# KiCad board DFTBoard.kicad_pcb (continued)
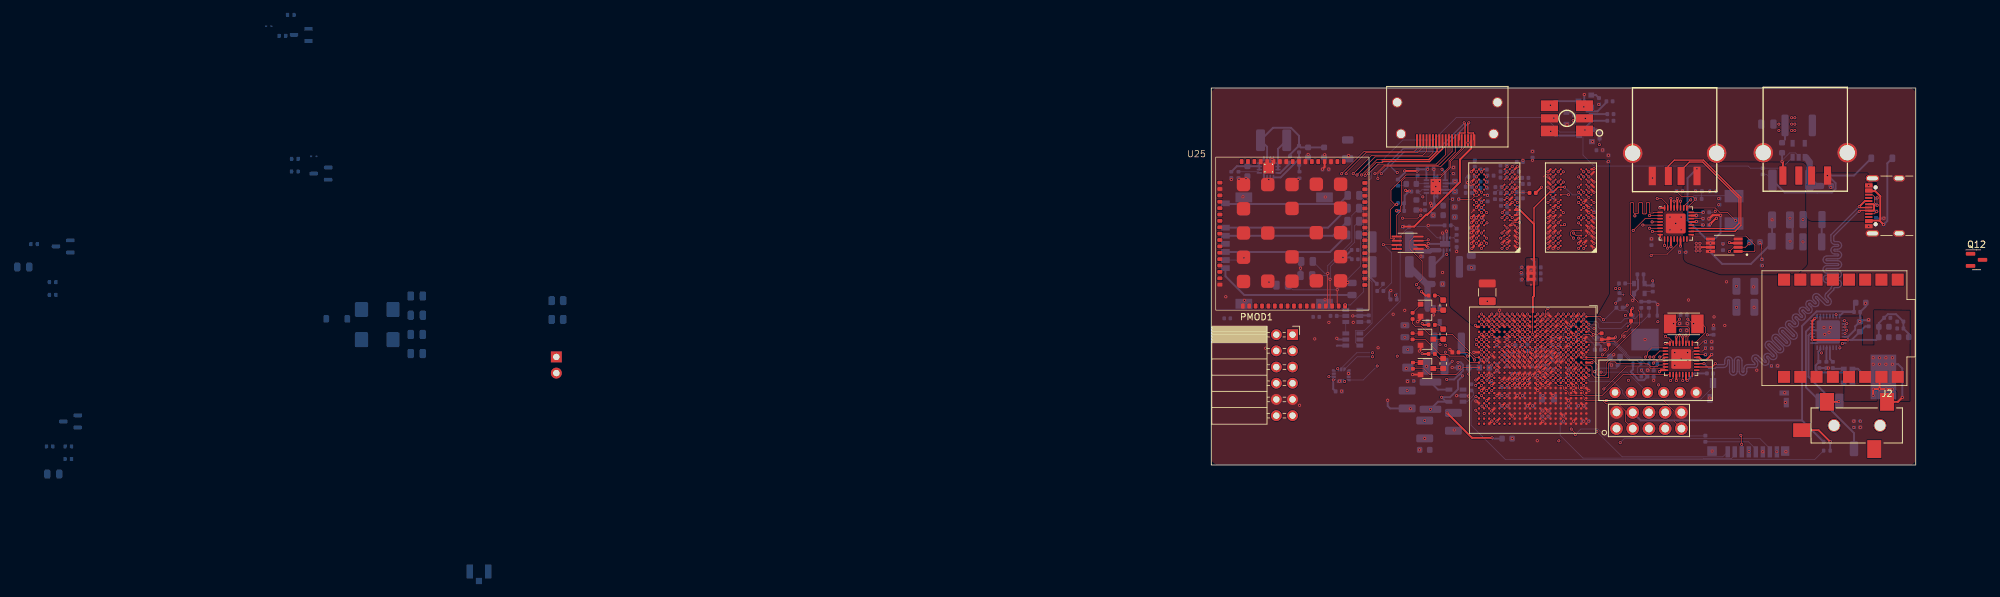
[diagram p0: board, top side]
## Nets (continued)
GND: AE1.2 AE1.3 C1.2 C2.2 C3.2 C4.2 C5.2 C6.2 C7.2 C8.2 C9.2 C10.2 C11.2 C12.2 C13.2 C14.2 C15.2 C17.2 C18.2 C19.2 C20.2 C22.2 C23.2 C24.2 C25.2 C26.2 C27.2 C28.2 C29.2 C30.2 C31.2 C32.2 C33.2 C34.2 C36.1 C37.1 C39.1 C41.1 C43.2 C46.2 C47.2 C48.2 C49.2 C50.2 C51.2 C53.2 C55.2 C57.2 C59.2 C61.2 C63.2 C64.2 C65.2 C66.2 C67.2 C68.2 C69.1 C70.2 C71.2 C72.2 C73.1 C74.1 C75.1 C76.1 C77.2 C78.2 C79.2 C80.1 C81.2 C82.2 C83.1 C84.1 C85.1 C86.2 C87.2 C88.1 C89.2 C93.2 C95.2 C97.2 C98.2 C99.2 C100.2 C101.2 C102.2 C103.2 C104.2 C105.2 C106.2 C107.2 C108.2 C109.2 C110.2 C111.2 C112.2 C113.2 C114.2 C115.2 C116.2 C117.2 C118.2 C119.2 C120.2 C121.2 C122.2 C123.2 C124.2 C125.2 C126.2 C127.1 C128.2 C129.2 C130.2 C131.2 C132.2 C133.2 C135.2 C136.2 C137.2 C138.2 C139.2 C140.2 C143.2 C144.2 C145.2 C146.2 CON1.2 CON1.10 D2.2 D10.1 D11.1 GT1.1 J1.4 J1.5 J3.1 J4.1 J4.C5 J6.4 J6.5 J8.6 J8.10 J8.11 Je1.2 Je1.5 Je1.8 Je1.11 Je1.17 Je1.SH PMOD1.9 PMOD1.10 Q1.2 Q2.1 Q3.2 Q4.1 Q5.2 Q6.1 Q8.2 Q9.2 Q10.2 Q11.1 R8.2 R12.2 R14.2 R23.2 R29.2 R38.2 R41.2 R46.2 R48.2 R49.2 R74.2 R76.2 R91.2 R92.2 R93.2 R94.2 R96.2 R97.2 R108.2 R110.2 R116.2 U1.2 U2.2 U3.2 U4.2 U5.2 U5.3 U5.9 U7.2 U8.4 U8.8 U8.11 U9.6 U10.23 U10.33 U11.3 U12.33 U13.6 U13.7 U13.8 U13.15 U13.16 U13.17 U15.A9 U15.B1 U15.B3 U15.B9 U15.D1 U15.D8 U15.E1 U15.E2 U15.E8 U15.F9 U15.G1 U15.G8 U15.G9 U15.J2 U15.J8 U15.M1 U15.M9 U15.P1 U15.P9 U15.T1 U15.T9 U16.A9 U16.B1 U16.B3 U16.B9 U16.D1 U16.D8 U16.E1 U16.E2 U16.E8 U16.F9 U16.G1 U16.G8 U16.G9 U16.J2 U16.J8 U16.M1 U16.M9 U16.P1 U16.P9 U16.T1 U16.T9 U17.1 U18.2 U19.4 U19.9 U20.A5 U20.A15 U20.A16 U20.A17 U20.A18 U20.A19 U20.A20 U20.A21 U20.A22 U20.AA5 U20.AA15 U20.AB8 U20.AB18 U20.B8 U20.B15 U20.B16 U20.B17 U20.B18 U20.B19 U20.B20 U20.B21 U20.B22 U20.C1 U20.C11 U20.C15 U20.C16 U20.C17 U20.C18 U20.C19 U20.C20 U20.C21 U20.C22 U20.D4 U20.D14 U20.D15 U20.D16 U20.D17 U20.D18 U20.D19 U20.D20 U20.D21 U20.D22 U20.E7 U20.E15 U20.E16 U20.E17 U20.E18 U20.E19 U20.E20 U20.E21 U20.E22 U20.F10 U20.F15 U20.F16 U20.F17 U20.F18 U20.F19 U20.F20 U20.F21 U20.F22 U20.G3 U20.G9 U20.G10 U20.G15 U20.G16 U20.G17 U20.G18 U20.G19 U20.G20 U20.G21 U20.G22 U20.H6 U20.H8 U20.H12 U20.H14 U20.H15 U20.H16 U20.H17 U20.H18 U20.H19 U20.H20 U20.H21 U20.H22 U20.J9 U20.J11 U20.J13 U20.J15 U20.J16 U20.J17 U20.J18 U20.J19 U20.J20 U20.J21 U20.J22 U20.K2 U20.K8 U20.K10 U20.K12 U20.K14 U20.K15 U20.K16 U20.K17 U20.K18 U20.K19 U20.K20 U20.K21 U20.K22 U20.L5 U20.L9 U20.L11 U20.L12 U20.L13 U20.L15 U20.L16 U20.L17 U20.L18 U20.L19 U20.L20 U20.L21 U20.L22 U20.M8 U20.M10 U20.M11 U20.M12 U20.M14 U20.M15 U20.M16 U20.M17 U20.M18 U20.M19 U20.M20 U20.M21 U20.M22 U20.N1 U20.N9 U20.N11 U20.N12 U20.N13 U20.N15 U20.N16 U20.N17 U20.N18 U20.N19 U20.N20 U20.N21 U20.N22 U20.P4 U20.P8 U20.P10 U20.P12 U20.P14 U20.P15 U20.P16 U20.P17 U20.P18 U20.P19 U20.P20 U20.P21 U20.P22 U20.R9 U20.R11 U20.R13 U20.R15 U20.R16 U20.R17 U20.R18 U20.R19 U20.R20 U20.R21 U20.R22 U20.T13 U20.T15 U20.T16 U20.T17 U20.T18 U20.T19 U20.T20 U20.U3 U20.U13 U20.V6 U20.V16 U20.W9 U20.W19 U20.Y2 U20.Y12 U20.Y22 U21.1 U23.1 U23.2 U23.3 U23.6 U23.7 U24.G U25.2 U25.17 U25.18 U25.29 U25.39 U25.45 U25.46 U25.54 U25.58 U25.59 U25.61 U25.62 U25.63 U25.64 U25.65 U25.GND USB_C_ESP1.A1 USB_C_ESP1.A12 USB_C_ESP1.B1 USB_C_ESP1.B12 USB_C_ESP1.S1
GNDA: C35.1 C42.2 C45.1 C52.1 C54.1 C56.1 C58.1 C60.2 C62.2 GT1.2 J2.1 MIC1.2 MIC1.3 U9.17 U9.21 U9.26 U9.33
/Audio/HPRCOM_C_N: C40.2 J2.3
/Audio/HPRCOM_C_P: C44.2 J2.2
/Audio/HPSWITCH: J2.4 R16.1 R17.2
/Audio/LED_1BA: D1.3 R21.2
/Audio/LED_1BC: D1.4 Q5.3
/Audio/LED_1GA: D1.2 R20.2
/Audio/LED_1GC: D1.5 Q3.3
/Audio/LED_1RA: D1.1 R19.2
/Audio/LED_1RC: D1.6 Q1.3
/Audio/MICBIAS: C35.2 C42.1 MIC1.1 U9.15
/Audio/SIG_F: C38.1 U9.12
/Audio/SIGC_F: C38.2 MIC1.4
/Comm/NetLight: R107.1 U25.52
/Comm/sim_clk: C144.1 R44.1 U25.32
/Comm/sim_clk#: J4.C3 R44.2
/Comm/sim_data: C143.1 R43.1 U25.31
/Comm/sim_data#: J4.C7 R43.2
/Comm/sim_det: R105.1 U25.34
/Comm/sim_det#: J4.CD R105.2
/Comm/sim_rst: C145.1 R45.1 U25.33
/Comm/sim_rst#: J4.C2 R45.2
/Comm/Status: R109.1 U25.66
/Comm/VSIM: C146.1 J4.C1 U25.30
/DDR3/PGOOD_LED: D7.2 R102.1
/DDR3/VREF: C93.1 C94.2 C95.1 C96.2 C97.1 C98.1 C105.1 C106.1 R47.2 R48.1 U8.1 U15.H1 U15.M8 U16.H1 U16.M8 U20.H7 U20.P7
/DDR3/ZQH: R46.1 U15.L8
/DDR3/ZQL: R49.1 U16.L8
/LCD50/SLED0_D: D4.1 Q8.3
/LCD50/SLED0_G: Q8.1 R77.1
/LCD50/SLED0_R: D4.2 R78.2
/LCD50/SLED1_D: D5.1 Q9.3
/LCD50/SLED1_G: Q9.1 R79.1
/LCD50/SLED1_R: D5.2 R80.1
/LCD50/SLED2_D: D6.1 Q10.3
/LCD50/SLED2_G: Q10.1 R85.1
/LCD50/SLED2_R: D6.2 R86.1
/USB/USBH_FLAG_LED: D3.2 R35.1
ACC_INT1: U20.W12
ACC_INT2: U20.V12
AX_TCLK: CON1.1 U20.G11
AX_TDI: CON1.9 U20.H13
AX_TDO: CON1.3 U20.G14
AX_TMS: CON1.5 U20.G12
BOOTSPI_CS: R106.1 U19.1 U20.A1
BOOTSPI_DQ0_BMODE3: R92.1 U19.5 U20.A2
BOOTSPI_DQ1_BMODE1: R94.1 U19.2 U20.F6
BOOTSPI_DQ2_BMODE2: R93.1 U19.3 U20.E4
BOOTSPI_DQ3_BMODE0: R95.1 U19.7 U20.A3
BOOTSPI_SCK_BMODE4: R91.1 U19.6 U20.A4
CLK50: R100.2 U18.3
CS: U20.V15
DDR3_A0: R51.1 U15.N3 U16.N3 U20.M4
DDR3_A1: R52.1 U15.P7 U16.P7 U20.M5
DDR3_A2: R53.1 U15.P3 U16.P3 U20.K4
DDR3_A3: R54.1 U15.N2 U16.N2 U20.L4
DDR3_A4: R55.1 U15.P8 U16.P8 U20.K6
DDR3_A5: R56.1 U15.P2 U16.P2 U20.K5
DDR3_A6: R57.1 U15.R8 U16.R8 U20.J7
DDR3_A7: R58.1 U15.R2 U16.R2 U20.J6
DDR3_A8: R59.1 U15.T8 U16.T8 U20.J5
DDR3_A9: R60.1 U15.R3 U16.R3 U20.H5
DDR3_A10: R61.1 U15.L7 U16.L7 U20.J3
DDR3_A11: R62.1 U15.R7 U16.R7 U20.G5
DDR3_A12: R63.1 U15.N7 U16.N7 U20.H4
DDR3_A13: R64.1 U15.T3 U16.T3 U20.F4
DDR3_A14: R65.1 U15.T7 U16.T7 U20.G4
DDR3_BA0: R66.1 U15.M2 U16.M2 U20.L7
DDR3_BA1: R67.1 U15.N8 U16.N8 U20.L6
DDR3_BA2: R68.1 U15.M3 U16.M3 U20.M6
DDR3_CAS#: R70.1 U15.K3 U16.K3 U20.P3
DDR3_CK_N: R50.2 U15.K7 U16.K7 U20.N5
DDR3_CK_P: R50.1 U15.J7 U16.J7 U20.N4
DDR3_CKE: U15.K9 U16.K9 U20.V3
DDR3_CS#: R73.1 U15.L2 U16.L2 U20.P6
DDR3_DM0: U16.E7 U20.B1
DDR3_DM1: U16.D3 U20.H3
DDR3_DM2: U15.E7 U20.P1
DDR3_DM3: U15.D3 U20.AA2
DDR3_DQ0: U16.E3 U20.C3
DDR3_DQ1: U16.F7 U20.F2
DDR3_DQ2: U16.F2 U20.B2
DDR3_DQ3: U16.F8 U20.F1
DDR3_DQ4: U16.H3 U20.E3
DDR3_DQ5: U16.H8 U20.E1
DDR3_DQ6: U16.G2 U20.D3
DDR3_DQ7: U16.H7 U20.D1
DDR3_DQ8: U16.D7 U20.L3
DDR3_DQ9: U16.C3 U20.L1
DDR3_DQ10: U16.C8 U20.L2
DDR3_DQ11: U16.C2 U20.J1
DDR3_DQ12: U16.A7 U20.K1
DDR3_DQ13: U16.A2 U20.G2
DDR3_DQ14: U16.B8 U20.K3
DDR3_DQ15: U16.A3 U20.G1
DDR3_DQ16: U15.E3 U20.T3
DDR3_DQ17: U15.F7 U20.T1
DDR3_DQ18: U15.F2 U20.M1
DDR3_DQ19: U15.F8 U20.T2
DDR3_DQ20: U15.H3 U20.M2
DDR3_DQ21: U15.H8 U20.R1
DDR3_DQ22: U15.G2 U20.N3
DDR3_DQ23: U15.H7 U20.R3
DDR3_DQ24: U15.D7 U20.AA3
DDR3_DQ25: U15.C3 U20.Y1
DDR3_DQ26: U15.C8 U20.Y3
DDR3_DQ27: U15.C2 U20.W1
DDR3_DQ28: U15.A7 U20.AA1
DDR3_DQ29: U15.A2 U20.U1
DDR3_DQ30: U15.B8 U20.W3
DDR3_DQ31: U15.A3 U20.U2
DDR3_DQS0_N: U16.G3 U20.D2
DDR3_DQS0_P: U16.F3 U20.C2
DDR3_DQS1_N: U16.B7 U20.J2
DDR3_DQS1_P: U16.C7 U20.H2
DDR3_DQS2_N: U15.G3 U20.P2
DDR3_DQS2_P: U15.F3 U20.N2
DDR3_DQS3_N: U15.B7 U20.W2
DDR3_DQS3_P: U15.C7 U20.V2
DDR3_DRST#: R74.1 U15.T2 U16.T2 U20.F3
DDR3_ODT: R72.1 U15.K1 U16.K1 U20.P5
DDR3_RAS#: R69.1 U15.J3 U16.J3 U20.R5
DDR3_VTT: C128.1 C129.1 C130.1 R51.2 R52.2 R53.2 R54.2 R55.2 R56.2 R57.2 R58.2 R59.2 R60.2 R61.2 R62.2 R63.2 R64.2 R65.2 R66.2 R67.2 R68.2 R69.2 R70.2 R71.2 R72.2 R73.2 U8.3 U8.5
DDR3_VTT_EN: R25.2 U8.7 U20.B6
DDR3_WE#: R71.1 U15.L3 U16.L3 U20.R4
DE: U20.AB16
GPRS_RX: R32.1 U24.20
GPRS_TX: R42.1 U24.21
GPRSrst: R114.1 U20.D7 U24.9
HDMI_B_N: Je1.3 U20.AA8
HDMI_B_P: Je1.1 U20.AA9
HDMI_CEC: Je1.13 U20.W5
HDMI_CLK_N: Je1.12 U20.Y8
HDMI_CLK_P: Je1.10 U20.Y9
HDMI_G_N: Je1.6 U20.AA6
HDMI_G_P: Je1.4 U20.AA7
HDMI_HEAC_N: Je1.19 U20.AB6
HDMI_HEAC_P: Je1.14 U20.AB7
HDMI_R_N: Je1.9 U20.Y5
HDMI_R_P: Je1.7 U20.Y6
HPCOM_N: C40.1 U9.20
HPCOM_P: C44.1 U9.22
HS: U20.V17
I2C5_HDMI_SCLK: Je1.15 R83.2 U21.6
I2C5_HDMI_SDA: Je1.16 R82.2 U21.5
I2C33_HDMI_SCLK: U20.U9 U21.3
I2C33_HDMI_SDA: U20.U10 U21.4
I2C33_SCLK: R103.2 U9.8 U20.C5 U23.13
I2C33_SDA: R104.2 U9.9 U20.A6 U23.14
I2S_ADCSD: U9.5 U20.AB15
I2S_BCLK: U9.2 U20.AA13
I2S_DACSD: U9.4 U20.AA14
I2S_LRCLK: U9.3 U20.AB14
I2S_MCLK: U9.1 U20.Y13
IMU_INT1: U20.W15 U23.4
IMU_INT2: U20.Y15 U23.9
INIT_B: R10.1 U20.T14
IR_RX: U20.AA18
JD_HOUT: R17.1 U20.AB17
LCD_D0: U20.AB21
LCD_D1: U20.AB22
LCD_D2: U20.U19
LCD_D3: U20.W20
LCD_D4: U20.V5
LCD_D5: U20.AB5
LCD_D6: U20.AB4
LCD_D7: U20.AA4
LCD_D8: U20.Y4
LCD_D9: U20.AB2
LCD_D10: U20.U20
LCD_D11: U20.AA21
LCD_D12: U20.AA22
LCD_D13: U20.Y21
LCD_D14: U20.Y20
LCD_D15: U20.W22
LCD_D16: U20.W21
LCD_D17: U20.V22
LCD_D18: U20.V20
LCD_D19: U20.U22
LCD_D20: U20.U21
LCD_D21: U20.T22
LCD_D22: U20.T21
LCD_D23: U20.AB1
LED_1B_CTRL: R15.2 U20.Y19
LED_1G_CTRL: R13.2 U20.AB20
LED_1R_CTRL: R11.2 U20.AA19
LEDA: U20.W18
LEDK: U20.Y18
Pclk: U20.U15
PCM_CLK: U20.U16 U25.11
PCM_DIN: U20.Y16 U25.13
PCM_OUT: U20.W17 U25.14
PCM_SYNC: U20.W16 U25.12
PROGRAM_B: R9.1 U20.T11
PWRKEY: R28.1 U20.F12 U24.8
RF2_IRQ: U20.E6
RST: U20.AA16
SCL: U20.V14
SD_CD: J8.9 R99.2 U20.A13
SD_CLK: J8.5 R26.2
SD_CMD: J8.3 U20.E9
SD_D0: J8.7 U20.A7
SD_D1: J8.8 U20.E10
SD_D2: J8.1 U20.A8
SD_D3: J8.2 U20.F11
SDA: U20.W13
STATLED_0: R77.2 U20.AB11
STATLED_1: R79.2 U20.AB10
STATLED_2: R85.2 U20.AB9
TLV_RST#: U9.31 U20.AA17
UART33_RX: U17.4 U20.G7
UART33_TX: U17.5 U20.B4
USB0_CLK: U10.1 U20.A9
USB0_D0: U10.3 U20.C7
USB0_D1: U10.4 U20.G13
USB0_D2: U10.5 U20.B12
USB0_D3: U10.6 U20.F14
USB0_D4: U10.7 U20.A12
USB0_D5: U10.9 U20.B14
USB0_D6: U10.10 U20.F13
USB0_D7: U10.13 U20.C13
USB0_dir: U10.31 U20.E8
USB0_nxt: U10.2 U20.F9
USB0_RST: U10.27 U20.D10
USB0_stp: U10.29 U20.A11
USB1_CLK: U12.1 U20.D11
USB1_D0: U12.3 U20.E13
USB1_D1: U12.4 U20.B9
USB1_D2: U12.5 U20.D12
USB1_D3: U12.6 U20.B10
USB1_D4: U12.7 U20.E14
USB1_D5: U12.9 U20.C14
USB1_D6: U12.10 U20.D13
USB1_D7: U12.13 U20.C10
USB1_dir: U12.31 U20.C8
USB1_nxt: U12.2 U20.B11
USB1_RST: U12.27 U20.C12
USB1_stp: U12.29 U20.D8
USBD_D_N: U12.19 USB_C_ESP1.A7 USB_C_ESP1.B7
USBD_D_P: U12.18 USB_C_ESP1.A6 USB_C_ESP1.B6
USBH_CPEN: U10.17 U11.1
USBH_D_N: J6.2 U10.19
USBH_D_N1: J1.2 U20.E11
USBH_D_P: J6.3 U10.18
USBH_D_P1: J1.3 U20.A14
USBH_FAULT: D3.1 U11.2 U20.B7
USBH_VBUS: C73.2 C74.2 J6.1 R36.2 U11.6 U11.8
VMODE0: R96.1 U20.D5
VMODE1: R97.1 U20.E5
VS: U20.U17
ZYNQ_POR: R5.2 U2.4 U20.B5
Net-(AE1-A): AE1.1 U25.60
Net-(CDBMS540LR-HF1-A): C83.2 CDBMS540LR-HF1.2 Q12.1 USB_C_ESP1.A4 USB_C_ESP1.A9 USB_C_ESP1.B4 USB_C_ESP1.B9
Net-(D7-K): D7.1 R101.2 U8.9
Net-(D8-K): D8.2 R111.2
Net-(D9-K): D9.2 R112.2
Net-(D10-A2): D10.2 Q2.3 U25.1
Net-(D11-A2): D11.2 Q11.3 U25.16
Net-(J3-Pin_2): J3.2 Q12.3
Net-(L6-Pad1): L6.1 U13.1 U13.2 U13.3
Net-(Q1-G): Q1.1 R11.1
Net-(Q2-B): Q2.2 R28.2 R29.1
Net-(Q3-G): Q3.1 R13.1
Net-(Q4-B): Q4.2 R109.2 R110.1
Net-(Q4-C): Q4.3 R111.1
Net-(Q5-G): Q5.1 R15.1
Net-(Q6-B): Q6.2 R107.2 R108.1
Net-(Q6-C): Q6.3 R112.1
Net-(Q11-B): Q11.2 R114.2 R116.1
Net-(R7-Pad2): R7.2 R8.1
Net-(R23-Pad1): R23.1 R24.2
Net-(R34-Pad2): R34.2 R81.1
Net-(U1-EN): C1.1 U1.3
Net-(U1-FLAG3): U1.4 U2.3
Net-(U5-FB): R6.1 R7.1 U5.4
Net-(U5-SW): L1.1 U5.7
Net-(U8-REFOUT): C131.1 U8.6
Net-(U9-MIC1RM/LINE1RM): C45.2 U9.13
Net-(U10A-VBUS): R36.1 U10.22
Net-(U10A-VDD33): C69.2 U10.20
Net-(U10C-RBIAS): R38.1 U10.24
Net-(U10D-REFCLK): C75.2 R37.1 U10.26 Y1.1
Net-(U10D-XO): C76.2 R37.2 U10.25 Y1.2
Net-(U12A-ID): C80.2 U12.20 U12.23
Net-(U12A-VBUS): R39.1 U12.22
Net-(U12C-RBIAS): R41.1 U12.24
Net-(U12D-REFCLK): C84.2 R40.1 U12.26 Y2.1
Net-(U12D-XO): C85.2 R40.2 U12.25 Y2.2
Net-(U13-FB): R24.1 R27.1 U13.5
Net-(U13-PG): R22.1 U13.4
Net-(U13-SS/TR): C88.2 U13.9
Net-(U18-OE): R98.1 U18.1
Net-(U20F-PS_CLK_500): R100.1 U20.F7
Net-(U20G-PS_MIO16_501): R26.1 U20.D6
Net-(U20G-PS_SRST_B_501): R33.1 U20.C9
Net-(U20H-PS_DDR_VRN_502): R75.1 U20.M7
Net-(U20H-PS_DDR_VRP_502): R76.1 U20.N7
Net-(U21-EN): R34.1 U21.7 U21.8
Net-(U25-RXD): R42.2 U25.10
Net-(U25-TXD): R32.2 U25.9
Net-(USB_C_ESP1-CC1): R12.1 USB_C_ESP1.A5
Net-(USB_C_ESP1-CC2): R14.1 USB_C_ESP1.B5

Pads without a net: CON1 6 7 8; J2 ~; J4 2 3 4 C6; PMOD1 1 2 3 4 5 6 7 8 11 12; U9 10 11 14 16 19 23 27 28 29 30; U10 12 15 16; U11 4 5; U12 12 15 16 17; U15 J1 J9 L1 L9 M7; U16 J1 J9 L1 L9 M7; U17 2 6; U20 AA11 AA12 AB12 AB19 C4 F8 G6 R6 R7 T4 T6 T12 U4 U5 U6 U7 U11 U12 U14 V7 V8 V9 V10 V13 V18 V19 W6 W7 W8 W10 W11 Y10 Y11 Y14; U23 10 11; U24 0 1 2 3 3.3 4 5 5V 6 7 10; U25 3 4 5 6 7 8 15 19 20 21 22 23 24 25 26 27 28 35 36 37 38 40 41 42 43 44 47 48 49 50 51 53 67 68; USB_C_ESP1 A8 B8

## Via types
v1: diameter 0.48, hole 0.25, TOP_GND to BOTTOM, 867 vias
v2: diameter 0.3, hole 0.1, TOP_GND to BOTTOM, 7 vias

## Routing (per net, layer and track width the routed paths; a pad name or vN(x,y) marks a point on that pad's centre or on a via; arc(x,y) is an arc through that point)
1v0en: length 3
  BOTTOM w0.102: R1.2 41.04,11.36 41.04,10.93 40.04,9.92 U3.3
1v8en: length 1.4
  BOTTOM w0.102: 19.63,23.38 U1.5
1v35en: length 26.4
  BOTTOM w0.102: R4.2 33.61,37.37 35.36,35.62 U5.1 ; 30.99,37.37 29.56,35.95 29.56,25.7 23.54,19.68
1v35PG: length 17.3
  TOP_GND w0.102: U20.V4 v1(44.71,21.27)
  SIGNAL1 w0.102: v1(36.86,33.02) 36.86,27.74 42.12,22.48 42.48,22.48 42.7,22.26 42.7,21.9 42.92,21.68 44.3,21.68 v1(44.71,21.27)
  BOTTOM w0.102: 36.86,33.72 v1(36.86,33.02)
3v3en: length 105.6
  BOTTOM w0.102: U4.3 89.3,46.54 84.4,46.54 84.06,46.88 59.91,46.88 58.19,48.6 58.19,52.21 54.58,52.21 52.32,54.47 38.33,54.47 34.83,50.97 29.97,50.97 25.03,46.03 25.03,44.97 24.38,44.32 24.38,29.48 25.16,28.71 25.16,22.26 24.01,21.11 22.57,21.11 22.57,19.2 23.04,18.73
+1V0: length 37.3
  TOP_GND w0.13: 53.11,15.27 v1(52.71,14.88) ; 51.51,13.67 v1(51.91,13.27) ; 48.31,13.67 v1(47.91,13.27)
  TOP_GND w0.3: 47.51,17.67 v1(47.11,18.07) ; 52.31,17.67 v1(52.71,18.07) ; 50.71,17.67 v1(51.11,18.07) ; 49.91,13.67 v1(49.51,13.27) ; 49.11,17.67 v1(48.71,18.07) ; U20.J12 v1(52.71,14.07) ; v1(53.51,17.27) 53.91,17.67 ; U20.R14 v1(47.11,12.47) ; U20.J10 v1(52.71,16.47) ; v1(43.96,4.26) 40.82,4.26 v1(36.91,8.17) ; U20.N14 v1(48.71,12.47) ; U20.L14 v1(51.11,12.47) ; v1(52.71,13.27) U20.J14 ; v1(53.51,16.47) U20.H9
  BOTTOM w0.3: 38.78,14.19 39.41,14.82 39.41,15.73 39.04,16.1 v1(38.62,16.1) ; 38.78,14.19 38.01,13.42 v1(36.86,13.42) ; 38.78,14.19 39.15,14.19 v1(39.36,13.97) 38.63,13.24 38.63,11.88 37.37,10.62 v1(36.06,10.62) 36.76,9.92 U3.4 35.5,9.92 v1(34.31,8.74) ; C11.1 44.08,4.14 v1(43.96,4.26) ; v1(52.71,18.07) v1(53.51,17.27) 53.43,17.19 53.43,16.42
  vias: v1(30.66,11.67) v1(31.71,13.17) v1(33.41,6.97) v1(43.91,13.25)
+1V8: length 112
  TOP_GND w0.3: U10.28 v1(72.96,41.77) ; U10.30 v1(71.96,41.81) ; 51.51,15.27 v1(51.91,15.67) ; U12.28 v1(73.81,20.07) ; U12.30 v1(72.81,20.07) ; U20.H10 v1(52.71,15.67) ; U20.T9 v1(46.31,17.27) ; v1(47.91,17.27) U20.P9 ; v1(46.31,16.47) U20.T10 ; U20.R12 v1(47.11,14.07) ; U20.T7 v1(46.31,18.88) ; U20.M9 v1(50.31,16.47) ; U20.K9 v1(51.91,17.27) ; 46.71,17.67 v1(46.31,18.07)
  SIGNAL1 w0.3: CON1.4 64.69,6.96 64.69,5.19 63.9,4.4 60,4.4 56.16,8.24 53.81,8.24 50.62,11.44 50.62,13.56 v1(51.11,14.05)
  SIGNAL2 w0.3: v1(68.66,16.92) 68.2,16.19 69.16,15.22 70.96,15.22 71.61,15.88 71.61,18.88 v1(72.81,20.07) 72.81,20.6 73.07,20.87 73.35,20.87 73.47,20.99 v1(73.47,21.12) 73.81,20.79 v1(73.81,20.07)
  BOTTOM w0.3: v1(52.71,15.67) v1(51.91,15.67) ; 39.15,18.04 v1(40.11,17.07) ; v1(40.31,14.27) 40.3,14.29 C26.1 FB1.2 ; 100.54,24.08 94.77,24.08 92.49,21.81 92.49,7 ; 36.91,15.47 v1(37.71,16.27) ; CON1.4 67.23,7 92.49,7 ; 92.49,7 R16.2 ; 98.35,23.34 99,24 C53.1 100.62,25.18
  vias: v1(29.11,17.07) v1(30.31,20.04) v1(30.76,18.07) v1(35.81,18.88) v1(36.64,17.7) v1(36.7,18.76) v1(45.51,12.47) v1(45.51,10.88) v1(50.31,15.67) v1(79.45,40.81)
+1V35: length 34.4
  TOP_GND w0.102: U16.K8 53.51,41.17 ; U15.K8 42.31,41.97 ; 45.11,23.27 v1(45.11,24.27) ; U16.G7 54.31,38.77 ; 52.01,45.17 52.41,45.57 U16.R9 ; U16.N9 52.71,44.37 ; U15.N9 40.86,43.97 40.75,43.86 40.52,43.86 v1(40.12,44.26) ; U15.H9 40.71,39.57
  TOP_GND w0.3: U20.K7 v1(51.91,18.88) ; U16.D2 58.71,36.76 v1(59.1,36.36) ; 53.11,43.98 52.71,44.37 ; U16.H2 v1(59.11,39.57) ; U16.C9 v1(52.71,35.57) ; v1(40.71,36.42) 41.07,36.77 U15.D9 ; U20.J4 v1(52.71,21.27) ; U20.R2 v1(47.11,22.88) ; U16.D9 53.09,36.77 v1(52.71,36.39) ; U16.F1 59.91,37.97 ; 48.11,38.77 47.71,38.37 U15.F1 ; v1(59.91,35.57) U16.C1 ; 49.11,19.27 v1(48.71,19.67) ; U20.F5 v1(54.31,19.67) ; U15.C1 v1(47.91,35.57) ; U20.E2 v1(55.91,22.07) ; U16.A8 v1(53.51,33.97) ; U15.A1 v1(47.91,33.97) ; U15.E9 v1(40.71,37.17) ; U15.A8 v1(42.31,34.77) ; U15.G7 v1(42.31,38.77) ; U15.C9 v1(40.72,35.58) ; 53.11,23.27 v1(52.71,23.67) ; U16.A1 v1(59.91,33.97) ; 53.11,37.57 52.71,37.18 ; U15.D2 v1(46.3,36.37) ; 49.91,21.67 v1(49.51,22.07) ; 58.71,35.17 v1(58.31,34.77) ; 46.71,41.58 47.11,41.98 ; U16.R1 59.91,45.97 ; U16.H9 52.71,39.57 ; U15.B2 v1(46.31,34.77) ; U15.H2 46.71,39.99 ; U16.N1 59.91,43.57 ; v1(58.31,41.17) U16.K2
  GND0 w0.102: v1(40.12,44.26) 38.34,44.26 v1(38.15,44.45)
  GND1 w0.3: v1(59.11,39.57) 58.38,39.57 57.82,40.14 57.82,40.68 v1(58.31,41.17)
  BOTTOM w0.3: v1(48.71,19.67) 49.51,18.88 ; C110.1 50.29,47.81 v1(50.28,47.8) ; U8.2 37.86,44.16 v1(38.15,44.45) ; R6.2 v1(38.41,33.47)
  vias: v1(37.91,46.66) v1(38.11,40.46) v1(62.16,47.62)
+3V3: length 92.7
  TOP_GND w0.102: 57.91,21.67 v1(58.31,22.07) ; v1(32.81,39.18) 32.34,38.71 v1(29.94,38.71)
  TOP_GND w0.3: 57.11,19.27 v1(57.51,19.67) ; 41.91,13.67 41.56,13.32 v1(41.42,13.32) ; v1(70.26,35.47) 70.27,35.49 U10.8 ; v1(65.99,24.61) 65.71,24.33 R104.1 ; v1(30.98,42.97) 30.54,42.97 v1(30.42,43.09) ; U20.W4 v1(43.91,21.27) ; v1(70.21,40.32) 70.22,40.31 U10.32 ; v1(71.06,19.07) 71.07,19.06 U12.32 ; 45.91,9.67 v1(45.51,9.27) ; v1(56.71,16.47) 56.71,16.47 U20.D9 ; v1(99.68,19.62) v1(94.09,19.62) 94.09,22.58 v1(94.5,23) ; U21.2 33.47,34.52 33.76,34.24 33.83,34.24 33.83,34.23 v1(33.92,34.15) ; 45.11,7.27 v1(44.71,6.88) ; v1(32.22,46.08) 32.18,46.12 v1(30.27,46.12) ; U20.W14 v1(43.91,12.47) ; 62.11,19.69 R5.1 ; U20.Y17 v1(43.11,10.07) ; U20.E12 v1(55.91,14.07) ; 41.91,21.67 41.57,21.67 v1(41.34,21.91) ; U10.14 v1(73.46,34.32) ; v1(70.16,14.62) 70.41,14.88 U12.8 ; 58.71,16.05 v1(59.59,16.05) ; v1(63.31,20.07) 63.09,19.86 R33.2 ; U20.Y7 v1(43.11,18.88) ; U12.14 74.31,13.45 v1(74.51,13.25) ; 57.91,13.67 v1(58.31,13.27) ; U20.AA10 v1(42.31,16.47) ; 45.91,17.67 v1(45.51,18.07) ; U20.T5 v1(46.31,20.47) ; U12.11 v1(72.81,13.25) ; U10.11 v1(71.96,34.22) ; 45.11,15.27 v1(44.71,15.67)
  SIGNAL4 w0.3: v1(43.11,10.07) 43.12,10.07 44.51,11.46 44.51,11.5 44.48,11.53 44.48,11.88 43.91,12.45 v1(43.91,12.47)
  BOTTOM w0.3: L2.2 89.82,51 ; U9.18 v1(94.09,19.62) ; 63.91,25.97 v1(63.31,25.38) ; R83.1 30.19,39.87 ; v1(74.51,13.25) 75.62,14.36 R99.1 ; C120.1 67.68,28.61 ; v1(69.11,28.88) R98.2 68.12,28.16 U18.4 ; 99.93,19.62 U9.7 v1(99.68,19.62) ; 99.93,19.62 104.09,19.62 C58.2 104.5,22.24 C56.2 105.92,23.65 107.19,23.65 108.35,22.49 108.35,21.41 109.19,20.58 C60.1 ; 99.93,19.62 v1(99.68,19.62) ; U8.10 33.68,46.17 v1(33.88,46.37) ; 68.29,13.88 67.72,13.3 66.9,13.3 66.56,13.64 66.56,13.72 65.66,14.62 66,14.97 66,15.77 ; v1(30.42,43.09) 30.64,42.87 R25.1 ; 19.47,11.54 19.09,11.91 v1(19.09,13.34) ; 30.29,41.15 30.29,42.25 30.98,42.95 v1(30.98,42.97) ; R106.2 64.72,24.67 v1(65.12,25.07) ; 29.03,25.96 29.03,26.84 ; R101.1 33.71,46.36 ; v1(99.68,19.62) 100.26,19.62 C41.2 102.38,21.74 C39.2 ; v1(77.67,20.41) 78.14,20.42 C82.1 ; R102.2 30.27,45.82 v1(30.27,46.12) ; U9.24 94.85,23.34 ; 68.22,13.88 67.32,14.77
  vias: v1(19.79,15.1) v1(20.87,13.1) v1(28.83,26.64) v1(42.72,8.09) v1(44.71,18.88) v1(48.71,10.88) v1(50.31,9.27) v1(51.91,10.88) v1(51.91,7.67) v1(52.71,7.67) v1(55.12,6.88) v1(55.91,9.27) v1(57.51,9.27) v1(59.11,6.88) v1(67.36,14.88) v1(73.32,33.37) v1(78.04,42.92) v1(82.22,28.03) v1(82.22,24.73) v1(84.18,2.1) v1(86.27,31.23) v1(87.68,15.54) v1(88.86,53.45) v1(88.86,52.45) v1(90.86,54.45) v1(90.86,53.45) v1(90.86,52.45) v1(91.36,54.45) v1(91.36,53.45) v1(91.36,52.45) v1(100.6,5.91) v1(101.6,6.88)
+3V8: length 19.8
  TOP_GND w0.3: U25.55 17.74,46.73 v1(17.41,46.4)
  BOTTOM w0.3: R27.2 13.73,51.62 12.48,52.88 9.66,52.88 L6.2 8.73,49.9 U13.14 ; R27.2 14.01,49.8 C111.1 ; R27.2 12.33,48.68 R22.2 ; v1(17.41,46.4) 17.41,46.36 C48.1
+5V: length 66.1
  TOP_GND w0.3: v1(29.94,37.39) 31.75,37.39 33.61,39.25 33.81,39.25 38.93,44.37 38.93,47.9 40.7,49.67 Je1.18 ; 34.03,17.42 33.03,17.42 v1(33,17.45) ; U10.21 75.9,38.12 v1(75.94,38.16) ; U12.21 76.38,16.88 76.77,16.48 77.5,16.48 v1(78.34,17.32) ; v1(32.91,27.17) 33.51,26.57 34.03,26.57 ; 34.03,21.97 33.21,21.97 v1(33.01,22.17) ; U11.7 76.53,34.15 v1(76.51,34.17)
  BOTTOM w0.102: R88.1 86.94,45.57 R3.1
  BOTTOM w0.3: 19.65,18.68 19.7,18.73 U2.1 ; U13.10 U13.12 U13.13 ; 24.97,29.7 24.97,29.35 R81.2 ; 24.55,24.38 24.5,24.33 U1.1 ; R88.1 89.79,42.73 97.16,42.73 97.74,43.3 97.74,44.21 96.55,45.39 v1(96.45,45.39) 100.62,45.39 CDBMS540LR-HF1.1 ; C64.1 4,46.85 C63.1 7.48,46.85 U13.11 ; C37.2 95.56,38.44
  vias: v1(75.91,34.77) v1(75.91,34.17) v1(75.91,33.57) v1(76.51,34.77) v1(76.51,33.57)
/Power/1V0TOLX: length 3.4
  BOTTOM w0.3: U3.5 35.5,11.82 L3.1
/Power/1V8_CS: length 8.5
  BOTTOM w1: R90.2 33.86,28.22 ; 33.86,28.22 U7.1 ; 33.86,28.22 34.01,28.38 C13.1
/Power/1V35_CS: length 5.5
  BOTTOM w0.3: 35.86,33.72 35.71,33.67
  BOTTOM w0.7: R89.2 32.48,33.51 34.21,33.51 34.38,33.67 35.71,33.67
/Power/3V3_CS: length 6
  BOTTOM w1: 93.11,48.25 93.66,47.5 R88.2 94.56,43.75 C3.1
/Power/VCCAUX: length 16.9
  TOP_GND w0.3: v1(48.71,16.47) U20.N10 ; 48.31,15.27 v1(47.91,15.67) ; U20.L10 v1(51.11,16.47) ; U20.R10 v1(47.11,16.47)
  SIGNAL1 w0.3: v1(47.91,15.67) 47.42,15.18 46.07,15.18 44.96,16.3 44.53,16.3 v1(43.91,15.67)
  SIGNAL2 w0.102: 57.91,14.69 57.92,14.69
  SIGNAL2 w0.115: 58.11,14.47 59.3,14.47 59.46,14.63 v1(60.01,14.63) ; 58.11,14.47 57.91,14.68 ; 58.11,14.47 57.69,14.47 57.7,14.47 57.91,14.68 ; 57.91,14.68 57.91,14.69 57.91,14.69 ; 51.35,16.71 v1(51.11,16.47)
  BOTTOM w0.13: v1(60.01,14.63) 60.57,15.19 63.43,15.19 63.59,15.35 63.59,15.67 63.89,15.67 64,15.78 C33.1
  BOTTOM w0.3: 43.55,15.31 v1(43.91,15.67)
GND: length 168.7
  TOP_GND w0.102: U16.M9 v1(52.71,43.57) ; U15.E1 v1(47.91,37.17) ; 57.52,23.69 57.51,23.68 v1(57.49,23.68) ; v1(78.11,37.79) 78.4,38.07 ; U20.A15 U20.B15 ; U16.P9 52.72,45.17
  TOP_GND w0.13: 50.71,13.67 v1(51.11,13.27) ; U20.Y12 43.13,14.1 v1(43.13,14.07)
  TOP_GND w0.3: 49.11,23.27 v1(48.71,23.67) ; U15.G8 v1(41.51,38.77) ; U20.K12 v1(51.11,14.88) ; 53.11,39.17 v1(52.72,38.78) ; 49.91,15.27 v1(49.51,15.67) ; U15.A9 41.11,34.27 v1(40.8,33.95) ; v1(106.62,11.91) v1(103.62,11.91) v1(103.62,10.91) ; 50.71,15.27 v1(51.11,15.67) ; 57.11,7.27 v1(56.71,6.88) ; 52.31,15.27 51.92,14.88 v1(51.92,14.85) ; U20.N9 v1(48.71,17.27) ; U20.K22 v1(51.91,6.88) ; U15.B9 v1(40.71,34.77) ; U20.N12 v1(48.71,14.07) ; U20.F20 v1(55.11,7.67) ; 53.91,21.67 v1(54.31,22.07) ; 12.68,32.59 U25.GND ; U20.P14 v1(47.91,12.47) ; U20.Y2 v1(43.11,22.88) ; v1(59.91,46.49) 59.8,46.37 U16.T1 ; 49.11,7.27 v1(49.51,7.67) ; U15.T1 v1(47.91,46.77) ; 46.71,40.78 v1(47.11,41.18) ; U20.P10 v1(47.91,16.47) ; v1(49.51,14.07) U20.M12 ; 45.11,11.27 44.72,10.89 v1(44.72,10.88) ; v1(47.09,37.77) 46.9,37.57 U15.E2 ; 57.11,15.27 56.71,14.88 v1(56.71,14.88) ; U15.E8 v1(41.51,37.17) ; v1(75.94,39.13) 75.93,39.12 U10.23 ; v1(81.11,34.87) 81.19,34.8 U11.3 ; U20.M14 v1(49.51,12.47) ; U15.M9 v1(41.51,42.77) ; U16.G8 v1(53.51,38.77) ; v1(32.58,17.88) 32.76,18.06 32.76,18.77 ; C80.1 v1(78.34,18.32) ; U20.P12 v1(47.91,14.07) ; U20.A5 v1(58.31,19.67) ; v1(9.03,28.67) 9,28.67 U25.GND ; U16.J2 v1(59.11,40.37) ; 52.31,13.67 v1(51.91,14.07) ; 53.11,44.78 v1(52.72,45.17) ; 41.91,9.67 41.56,10.03 v1(41.42,10.03) ; U20.M10 v1(49.51,16.47) ; 45.91,21.67 v1(45.51,22.07) ; U16.A9 v1(52.71,33.97) ; v1(52.71,12.47) U20.H14 ; U16.M1 v1(59.91,42.77) ; 46.71,13.67 v1(46.31,13.27) ; 48.31,17.67 v1(47.91,18.07) ; U20.J9 v1(52.71,17.27) ; 37.72,17.74 v1(37.35,18.11) ; U20.P4 v1(47.91,21.27) ; U16.E1 v1(59.91,37.17) ; U20.AA15 v1(42.31,11.67) ; U15.F9 v1(40.71,37.97) ; 49.11,15.27 v1(48.71,15.67) ; 49.91,9.67 v1(49.51,9.27) ; 47.51,44.78 v1(47.91,45.18) ; 47.51,43.18 v1(47.91,43.58) ; U20.E7 v1(55.91,18.88) ; U20.D14 56.71,12.47 v1(56.71,12.47) ; U16.J8 v1(53.51,40.37) ; U16.D1 v1(59.91,36.37) ; J1.4 89.49,47.43 v1(89.36,47.55) ; U20.L5 v1(51.11,20.47) ; U20.AA5 v1(42.31,20.47) ; U16.G1 v1(59.91,38.77) ; 47.51,15.27 v1(47.11,15.67) ; 53.11,19.27 v1(53.51,19.67) ; U15.D1 47.51,36.74 v1(47.9,36.35) ; U20.G9 v1(54.31,17.27) ; U20.L12 v1(50.31,14.07) ; U20.F10 v1(55.11,16.47) ; U16.B9 v1(52.71,34.77) ; Q10.2 32.76,22.92 v1(32.31,22.47) ; U20.R9 v1(47.11,17.27) ; U15.P9 v1(40.71,44.37) ; C69.1 79.01,38.69 v1(79.1,38.69) ; U15.J8 v1(41.51,40.37) ; U20.H12 v1(53.51,14.88) ; U20.W19 v1(43.91,8.47) ; 57.11,23.3 v1(57.49,23.68) ; U15.G1 47.81,39.17 v1(48.01,39.37) ; U20.Y22 v1(43.92,6.89) ; 78.87,39.8 v1(78.89,39.78) ; U15.D8 v1(41.51,36.37) ; 53.1,38.37 v1(52.71,37.98) ; U20.E17 v1(55.91,10.07) ; U20.R17 v1(47.91,10.88) ; 57.91,9.67 v1(58.31,9.27) ; 57.11,11.27 56.71,11.67 v1(56.71,11.67) ; U20.A15 v1(59.11,11.67) ; U20.K2 v1(51.91,22.88) ; 53.11,11.27 v1(53.51,10.88) ; 41.91,17.67 v1(41.11,17.67) ; U20.K14 v1(51.91,12.47) ; 45.91,13.67 v1(45.51,13.27) ; U15.B1 v1(47.91,34.77) ; 47.51,13.67 v1(47.11,13.27) ; 49.91,17.67 v1(50.31,17.27) ; U20.T20 v1(47.11,7.67) ; U20.L9 v1(51.11,17.27) ; 53.11,17.67 v1(53.51,18.07) ; 57.91,17.67 v1(58.31,17.27) ; v1(104.62,11.91) 104.62,13.53 ; U16.D8 v1(53.51,36.37) ; U15.G9 v1(40.71,38.77) ; 51.51,17.67 v1(51.91,18.07) ; U16.B1 v1(59.91,34.77) ; U16.B3 v1(57.51,34.77) ; U20.K10 v1(51.91,16.47) ; U16.E2 v1(59.11,37.17) ; U15.B3 v1(45.51,34.77) ; U20.D4 v1(56.71,20.47) ; U16.P1 v1(59.91,44.37) ; U16.T9 v1(52.71,45.97) ; 45.11,19.27 v1(44.71,19.67) ; U20.L15 v1(51.11,11.67) ; 49.11,13.67 v1(48.71,13.27) ; U20.G10 v1(54.31,16.47) ; U16.E8 v1(53.51,37.17) ; U20.J19 v1(52.71,8.47) ; U15.T9 v1(40.71,45.97) ; R41.2 v1(78.34,19.32) ; 32.76,14.17 v1(31.51,14.17) ; U20.W9 v1(43.91,17.27)